# KiCad board insequor58TOPMOUNT.kicad_pcb (continued)
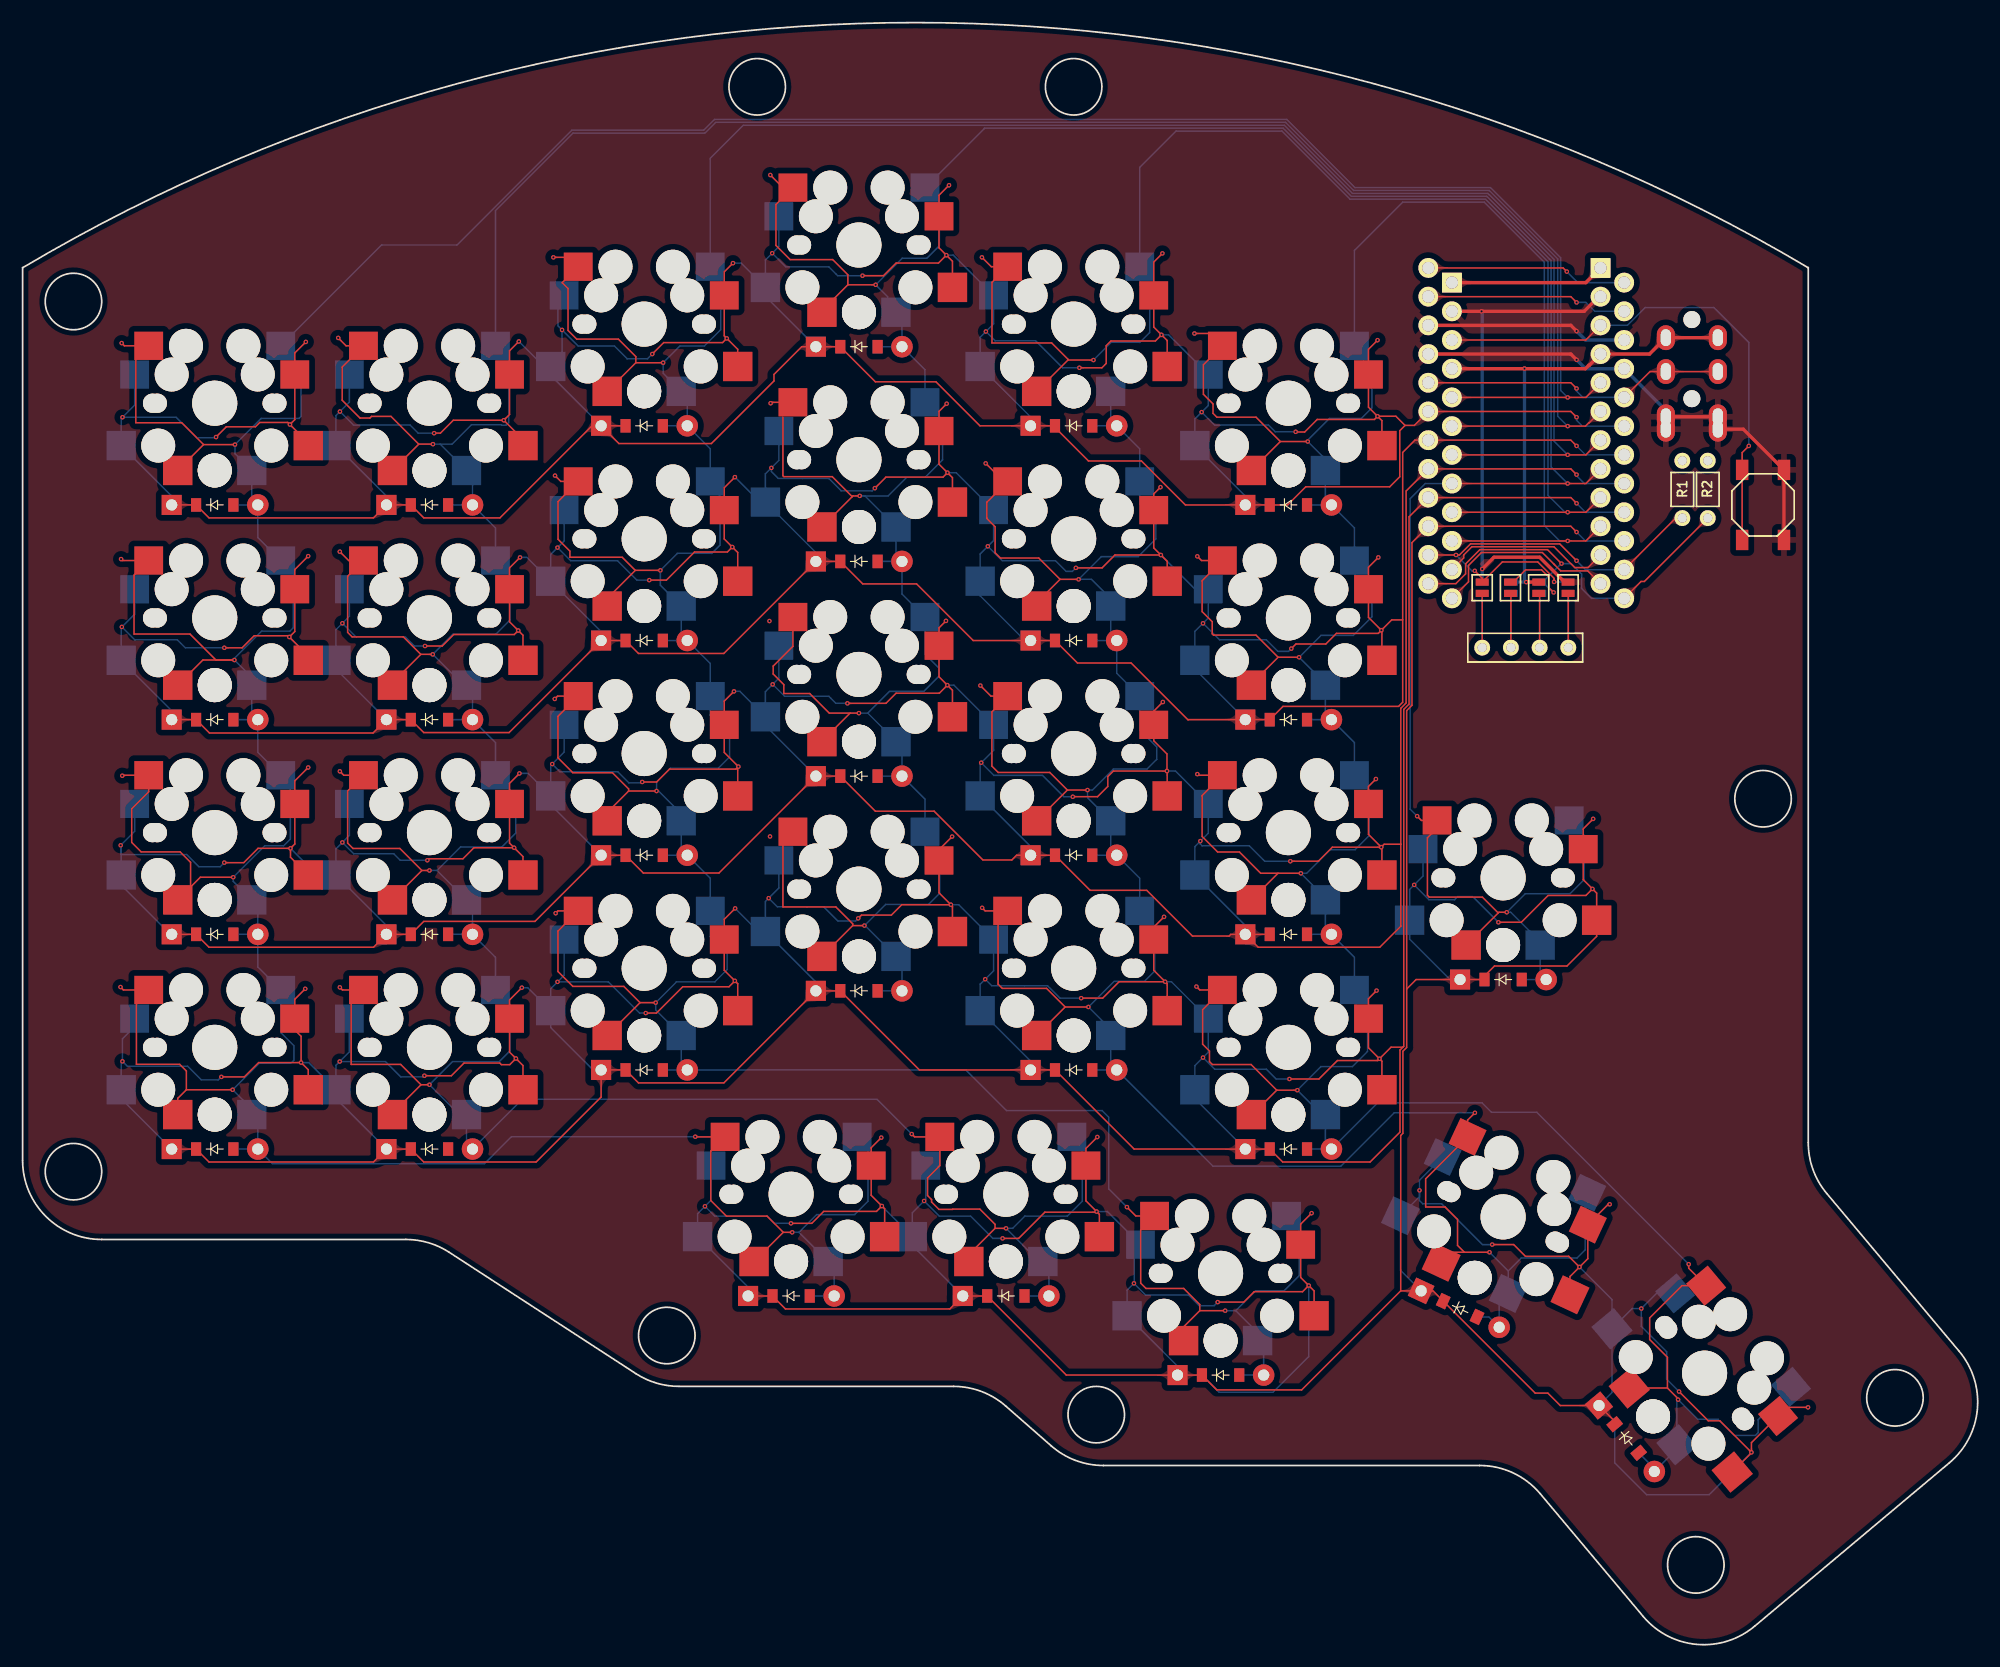
[diagram p0: board, top side]
## Copper pours and planes (outline as drawn; the poured copper is in the pictures) (continued)
P19 on Bottom: 56.91,69.77 57.14,69.75 57.32,69.72 57.47,69.66 57.6,69.58 57.71,69.49 57.82,69.4 57.93,69.29 58.06,69.18 58.21,69.08 58.39,68.97 59.29,69.83 58.39,70.69 58.21,70.59 58.06,70.48 57.93,70.37 57.82,70.27 57.71,70.17 57.6,70.08 57.47,70.01 57.32,69.95 57.14,69.91 56.91,69.9
P19 on Bottom: 56.91,88.77 57.14,88.75 57.32,88.72 57.47,88.66 57.6,88.58 57.71,88.49 57.82,88.4 57.93,88.29 58.06,88.18 58.21,88.08 58.39,87.97 59.29,88.83 58.39,89.69 58.21,89.59 58.06,89.48 57.93,89.37 57.82,89.27 57.71,89.17 57.6,89.08 57.47,89.01 57.32,88.95 57.14,88.91 56.91,88.9
P20 on Top: 138.41,107.84 138.57,107.98 138.72,108.07 138.85,108.13 138.99,108.17 139.12,108.18 139.26,108.18 139.4,108.18 139.55,108.19 139.72,108.22 139.91,108.27 139.93,109.41 138.79,109.39 138.74,109.21 138.71,109.04 138.69,108.89 138.69,108.75 138.68,108.62 138.66,108.49 138.62,108.36 138.56,108.23 138.46,108.09 138.32,107.93
P20 on Top: 128.22,107.87 128.01,107.88 127.84,107.92 127.7,107.97 127.58,108.04 127.48,108.12 127.38,108.21 127.27,108.3 127.16,108.4 127.02,108.5 126.85,108.59 126.03,107.8 126.85,107.01 127.02,107.11 127.16,107.21 127.27,107.3 127.38,107.4 127.48,107.49 127.58,107.57 127.7,107.64 127.84,107.69 128.01,107.73 128.22,107.74
P20 on Bottom: 39.21,45.58 39.2,45.34 39.17,45.13 39.13,44.96 39.09,44.81 39.03,44.67 38.98,44.53 38.93,44.39 38.89,44.23 38.87,44.05 38.86,43.83 40.08,43.44 40.29,44.65 40.14,44.74 39.99,44.8 39.86,44.86 39.73,44.92 39.62,44.98 39.53,45.05 39.45,45.14 39.39,45.26 39.35,45.4 39.34,45.58
P20 on Bottom: 41.2,80.53 41.05,80.7 40.95,80.86 40.88,81.01 40.84,81.15 40.82,81.3 40.82,81.44 40.81,81.6 40.8,81.76 40.77,81.94 40.71,82.14 39.47,82.17 39.5,80.93 39.7,80.87 39.88,80.84 40.05,80.83 40.2,80.82 40.35,80.82 40.49,80.8 40.63,80.76 40.78,80.7 40.94,80.59 41.11,80.44
P20 on Bottom: 88.91,30.77 89.14,30.75 89.32,30.72 89.47,30.66 89.6,30.58 89.71,30.49 89.82,30.4 89.93,30.29 90.06,30.18 90.21,30.08 90.39,29.97 91.29,30.83 90.39,31.69 90.21,31.59 90.06,31.48 89.93,31.37 89.82,31.27 89.71,31.17 89.6,31.08 89.47,31.01 89.32,30.95 89.14,30.91 88.91,30.9
P20 on Bottom: 41.11,45.22 40.94,45.07 40.78,44.97 40.63,44.9 40.49,44.86 40.35,44.85 40.2,44.84 40.05,44.83 39.88,44.82 39.7,44.79 39.5,44.73 39.47,43.49 40.71,43.52 40.77,43.72 40.8,43.9 40.81,44.07 40.82,44.22 40.82,44.37 40.84,44.51 40.88,44.65 40.95,44.8 41.05,44.96 41.2,45.13
P20 on Bottom: 39.75,64.73 39.73,64.51 39.69,64.32 39.64,64.17 39.56,64.04 39.47,63.93 39.37,63.82 39.27,63.71 39.16,63.58 39.05,63.43 38.95,63.25 39.81,62.36 40.67,63.25 40.57,63.43 40.46,63.58 40.35,63.71 40.25,63.82 40.15,63.93 40.06,64.04 39.98,64.17 39.93,64.32 39.89,64.51 39.88,64.73
P20 on Bottom: 37.91,100.77 38.14,100.75 38.32,100.72 38.47,100.66 38.6,100.58 38.71,100.49 38.82,100.4 38.93,100.29 39.06,100.18 39.21,100.08 39.39,99.97 40.29,100.83 39.39,101.69 39.21,101.59 39.06,101.48 38.93,101.37 38.82,101.27 38.71,101.17 38.6,101.08 38.47,101.01 38.32,100.95 38.14,100.91 37.91,100.9
P20 on Bottom: 37.91,81.77 38.14,81.75 38.32,81.72 38.47,81.66 38.6,81.58 38.71,81.49 38.82,81.4 38.93,81.29 39.06,81.18 39.21,81.08 39.39,80.97 40.29,81.83 39.39,82.69 39.21,82.59 39.06,82.48 38.93,82.37 38.82,82.27 38.71,82.17 38.6,82.08 38.47,82.01 38.32,81.95 38.14,81.91 37.91,81.9
P20 on Bottom: 37.91,62.77 38.14,62.75 38.32,62.72 38.47,62.66 38.6,62.58 38.71,62.49 38.82,62.4 38.93,62.29 39.06,62.18 39.21,62.08 39.39,61.97 40.29,62.83 39.39,63.69 39.21,63.59 39.06,63.48 38.93,63.37 38.82,63.27 38.71,63.17 38.6,63.08 38.47,63.01 38.32,62.95 38.14,62.91 37.91,62.9
P20 on Bottom: 41.2,61.53 41.05,61.7 40.95,61.86 40.88,62.01 40.84,62.15 40.82,62.3 40.82,62.44 40.81,62.6 40.8,62.76 40.77,62.94 40.71,63.14 39.47,63.17 39.5,61.93 39.7,61.87 39.88,61.84 40.05,61.83 40.2,61.82 40.35,61.82 40.49,61.8 40.63,61.76 40.78,61.7 40.94,61.59 41.11,61.44
P20 on Bottom: 39.75,102.73 39.73,102.51 39.69,102.32 39.64,102.17 39.56,102.04 39.47,101.93 39.37,101.82 39.27,101.71 39.16,101.58 39.05,101.43 38.95,101.25 39.81,100.36 40.67,101.25 40.57,101.43 40.46,101.58 40.35,101.71 40.25,101.82 40.15,101.93 40.06,102.04 39.98,102.17 39.93,102.32 39.89,102.51 39.88,102.73
P20 on Bottom: 90.75,32.73 90.73,32.51 90.69,32.32 90.64,32.17 90.56,32.04 90.47,31.93 90.37,31.82 90.27,31.71 90.16,31.58 90.05,31.43 89.95,31.25 90.81,30.36 91.67,31.25 91.57,31.43 91.46,31.58 91.35,31.71 91.25,31.82 91.15,31.93 91.06,32.04 90.98,32.17 90.93,32.32 90.89,32.51 90.88,32.73
P20 on Bottom: 39.75,83.73 39.73,83.51 39.69,83.32 39.64,83.17 39.56,83.04 39.47,82.93 39.37,82.82 39.27,82.71 39.16,82.58 39.05,82.43 38.95,82.25 39.81,81.36 40.67,82.25 40.57,82.43 40.46,82.58 40.35,82.71 40.25,82.82 40.15,82.93 40.06,83.04 39.98,83.17 39.93,83.32 39.89,83.51 39.88,83.73
P20 on Bottom: 41.2,99.53 41.05,99.7 40.95,99.86 40.88,100.01 40.84,100.15 40.82,100.3 40.82,100.44 40.81,100.6 40.8,100.76 40.77,100.94 40.71,101.14 39.47,101.17 39.5,99.93 39.7,99.87 39.88,99.84 40.05,99.83 40.2,99.82 40.35,99.82 40.49,99.8 40.63,99.76 40.78,99.7 40.94,99.59 41.11,99.44
P21 on Top: 138.43,110.36 138.59,110.5 138.73,110.6 138.87,110.66 139,110.69 139.13,110.71 139.26,110.71 139.4,110.72 139.56,110.73 139.72,110.76 139.91,110.81 139.93,111.95 138.79,111.93 138.74,111.74 138.71,111.58 138.7,111.43 138.69,111.29 138.69,111.15 138.67,111.02 138.64,110.89 138.57,110.75 138.48,110.61 138.34,110.45
P21 on Top: 128.22,110.41 128.01,110.42 127.84,110.46 127.7,110.51 127.58,110.58 127.48,110.66 127.38,110.75 127.27,110.84 127.16,110.94 127.02,111.04 126.85,111.13 126.03,110.34 126.85,109.55 127.02,109.65 127.16,109.75 127.27,109.84 127.38,109.94 127.48,110.03 127.58,110.11 127.7,110.18 127.84,110.23 128.01,110.27 128.22,110.28
P21 on Bottom: 18.91,62.77 19.14,62.75 19.32,62.72 19.47,62.66 19.6,62.58 19.71,62.49 19.82,62.4 19.93,62.29 20.06,62.18 20.21,62.08 20.39,61.97 21.29,62.83 20.39,63.69 20.21,63.59 20.06,63.48 19.93,63.37 19.82,63.27 19.71,63.17 19.6,63.08 19.47,63.01 19.32,62.95 19.14,62.91 18.91,62.9
P21 on Bottom: 20.21,102.58 20.2,102.34 20.17,102.13 20.13,101.96 20.09,101.81 20.03,101.67 19.98,101.53 19.93,101.39 19.89,101.23 19.87,101.05 19.86,100.83 21.08,100.44 21.29,101.65 21.14,101.74 20.99,101.8 20.86,101.86 20.73,101.92 20.62,101.98 20.53,102.05 20.45,102.14 20.39,102.26 20.35,102.4 20.34,102.58
P21 on Bottom: 71.75,32.73 71.73,32.51 71.69,32.32 71.64,32.17 71.56,32.04 71.47,31.93 71.37,31.82 71.27,31.71 71.16,31.58 71.05,31.43 70.95,31.25 71.81,30.36 72.67,31.25 72.57,31.43 72.46,31.58 72.35,31.71 72.25,31.82 72.15,31.93 72.06,32.04 71.98,32.17 71.93,32.32 71.89,32.51 71.88,32.73
P21 on Bottom: 18.91,81.77 19.14,81.75 19.32,81.72 19.47,81.66 19.6,81.58 19.71,81.49 19.82,81.4 19.93,81.29 20.06,81.18 20.21,81.08 20.39,80.97 21.29,81.83 20.39,82.69 20.21,82.59 20.06,82.48 19.93,82.37 19.82,82.27 19.71,82.17 19.6,82.08 19.47,82.01 19.32,81.95 19.14,81.91 18.91,81.9
P21 on Bottom: 18.91,43.77 19.14,43.75 19.32,43.72 19.47,43.66 19.6,43.58 19.71,43.49 19.82,43.4 19.93,43.29 20.06,43.18 20.21,43.08 20.39,42.97 21.29,43.83 20.39,44.69 20.21,44.59 20.06,44.48 19.93,44.37 19.82,44.27 19.71,44.17 19.6,44.08 19.47,44.01 19.32,43.95 19.14,43.91 18.91,43.9
P21 on Bottom: 22.19,42.6 21.98,42.63 21.85,42.7 21.77,42.81 21.74,42.95 21.73,43.12 21.75,43.31 21.76,43.51 21.77,43.72 21.76,43.94 21.71,44.14 20.47,44.17 20.81,42.88 20.98,42.87 21.13,42.84 21.25,42.79 21.36,42.74 21.47,42.68 21.58,42.62 21.69,42.56 21.83,42.52 21.99,42.49 22.19,42.47
P21 on Bottom: 20.88,79.93 20.89,80.16 20.93,80.34 20.98,80.49 21.06,80.62 21.15,80.74 21.25,80.84 21.35,80.96 21.46,81.08 21.57,81.23 21.67,81.42 20.81,82.31 19.95,81.42 20.05,81.23 20.16,81.08 20.27,80.96 20.37,80.84 20.47,80.74 20.56,80.62 20.64,80.49 20.69,80.34 20.73,80.16 20.75,79.93
P21 on Bottom: 20.75,45.73 20.73,45.51 20.69,45.32 20.64,45.17 20.56,45.04 20.47,44.93 20.37,44.82 20.27,44.71 20.16,44.58 20.05,44.43 19.95,44.25 20.81,43.36 21.67,44.25 21.57,44.43 21.46,44.58 21.35,44.71 21.25,44.82 21.15,44.93 21.06,45.04 20.98,45.17 20.93,45.32 20.89,45.51 20.88,45.73
P21 on Bottom: 20.88,60.93 20.89,61.16 20.93,61.34 20.98,61.49 21.06,61.62 21.15,61.74 21.25,61.84 21.35,61.96 21.46,62.08 21.57,62.23 21.67,62.42 20.81,63.31 19.95,62.42 20.05,62.23 20.16,62.08 20.27,61.96 20.37,61.84 20.47,61.74 20.56,61.62 20.64,61.49 20.69,61.34 20.73,61.16 20.75,60.93
P21 on Bottom: 20.75,64.73 20.73,64.51 20.69,64.32 20.64,64.17 20.56,64.04 20.47,63.93 20.37,63.82 20.27,63.71 20.16,63.58 20.05,63.43 19.95,63.25 20.81,62.36 21.67,63.25 21.57,63.43 21.46,63.58 21.35,63.71 21.25,63.82 21.15,63.93 21.06,64.04 20.98,64.17 20.93,64.32 20.89,64.51 20.88,64.73
P21 on Bottom: 20.21,83.58 20.2,83.34 20.17,83.13 20.13,82.96 20.09,82.81 20.03,82.67 19.98,82.53 19.93,82.39 19.89,82.23 19.87,82.05 19.86,81.83 21.08,81.44 21.29,82.65 21.14,82.74 20.99,82.8 20.86,82.86 20.73,82.92 20.62,82.98 20.53,83.05 20.45,83.14 20.39,83.26 20.35,83.4 20.34,83.58
P21 on Bottom: 69.91,30.77 70.14,30.75 70.32,30.72 70.47,30.66 70.6,30.58 70.71,30.49 70.82,30.4 70.93,30.29 71.06,30.18 71.21,30.08 71.39,29.97 72.29,30.83 71.39,31.69 71.21,31.59 71.06,31.48 70.93,31.37 70.82,31.27 70.71,31.17 70.6,31.08 70.47,31.01 70.32,30.95 70.14,30.91 69.91,30.9
P21 on Bottom: 18.91,100.77 19.14,100.75 19.32,100.72 19.47,100.66 19.6,100.58 19.71,100.49 19.82,100.4 19.93,100.29 20.06,100.18 20.21,100.08 20.39,99.97 21.29,100.83 20.39,101.69 20.21,101.59 20.06,101.48 19.93,101.37 19.82,101.27 19.71,101.17 19.6,101.08 19.47,101.01 19.32,100.95 19.14,100.91 18.91,100.9
P21 on Bottom: 20.88,98.93 20.89,99.16 20.93,99.34 20.98,99.49 21.06,99.62 21.15,99.74 21.25,99.84 21.35,99.96 21.46,100.08 21.57,100.23 21.67,100.42 20.81,101.31 19.95,100.42 20.05,100.23 20.16,100.08 20.27,99.96 20.37,99.84 20.47,99.74 20.56,99.62 20.64,99.49 20.69,99.34 20.73,99.16 20.75,98.93
RAW on Top: 138.49,120.46 138.64,120.6 138.78,120.7 138.91,120.77 139.04,120.81 139.16,120.84 139.29,120.85 139.43,120.87 139.57,120.89 139.73,120.92 139.91,120.97 139.93,122.11 138.79,122.09 138.74,121.91 138.71,121.75 138.69,121.61 138.67,121.47 138.65,121.35 138.63,121.22 138.58,121.1 138.52,120.96 138.42,120.83 138.28,120.67
RAW on Top: 128.22,120.65 128.01,120.66 127.84,120.69 127.7,120.74 127.58,120.8 127.47,120.86 127.37,120.94 127.27,121.03 127.15,121.11 127.01,121.2 126.85,121.29 126.03,120.5 126.85,119.71 127.01,119.8 127.15,119.89 127.27,119.98 127.37,120.06 127.47,120.14 127.58,120.21 127.7,120.27 127.84,120.31 128.01,120.34 128.22,120.35
RST on Top: 128.22,115.49 128.01,115.5 127.84,115.54 127.7,115.59 127.58,115.66 127.48,115.74 127.38,115.83 127.27,115.92 127.16,116.02 127.02,116.12 126.85,116.21 126.03,115.42 126.85,114.63 127.02,114.73 127.16,114.83 127.27,114.92 127.38,115.02 127.48,115.11 127.58,115.19 127.7,115.26 127.84,115.31 128.01,115.35 128.22,115.36
RST on Top: 138.43,115.44 138.59,115.58 138.73,115.68 138.87,115.74 139,115.77 139.13,115.79 139.26,115.79 139.4,115.8 139.56,115.81 139.72,115.84 139.91,115.89 139.93,117.03 138.79,117.01 138.74,116.82 138.71,116.66 138.7,116.51 138.69,116.37 138.69,116.23 138.67,116.1 138.64,115.97 138.57,115.83 138.48,115.69 138.34,115.53
RST on Bottom: 141.37,116.79 141.16,116.8 140.99,116.83 140.85,116.89 140.73,116.96 140.63,117.04 140.53,117.13 140.42,117.22 140.31,117.32 140.17,117.42 140,117.51 139.18,116.72 140,115.93 140.17,116.03 140.31,116.12 140.42,116.22 140.53,116.32 140.63,116.41 140.73,116.49 140.85,116.56 140.99,116.61 141.16,116.64 141.37,116.66

Small or netless copper shapes (teardrops, artwork), in the pictures only: 242 on Top, 229 on Bottom
